# Altium PCB main_control_board_1.1.0.PcbDoc (part 1 of 2)
Units mil, origin at the board's own origin, x right, y up, seen from the top; angles counter-clockwise.
Board outline 3500 x 2800 mil, 2 copper layers (Top Layer, Bottom Layer); 89 components, 79 nets, 373 pads, 122 vias.
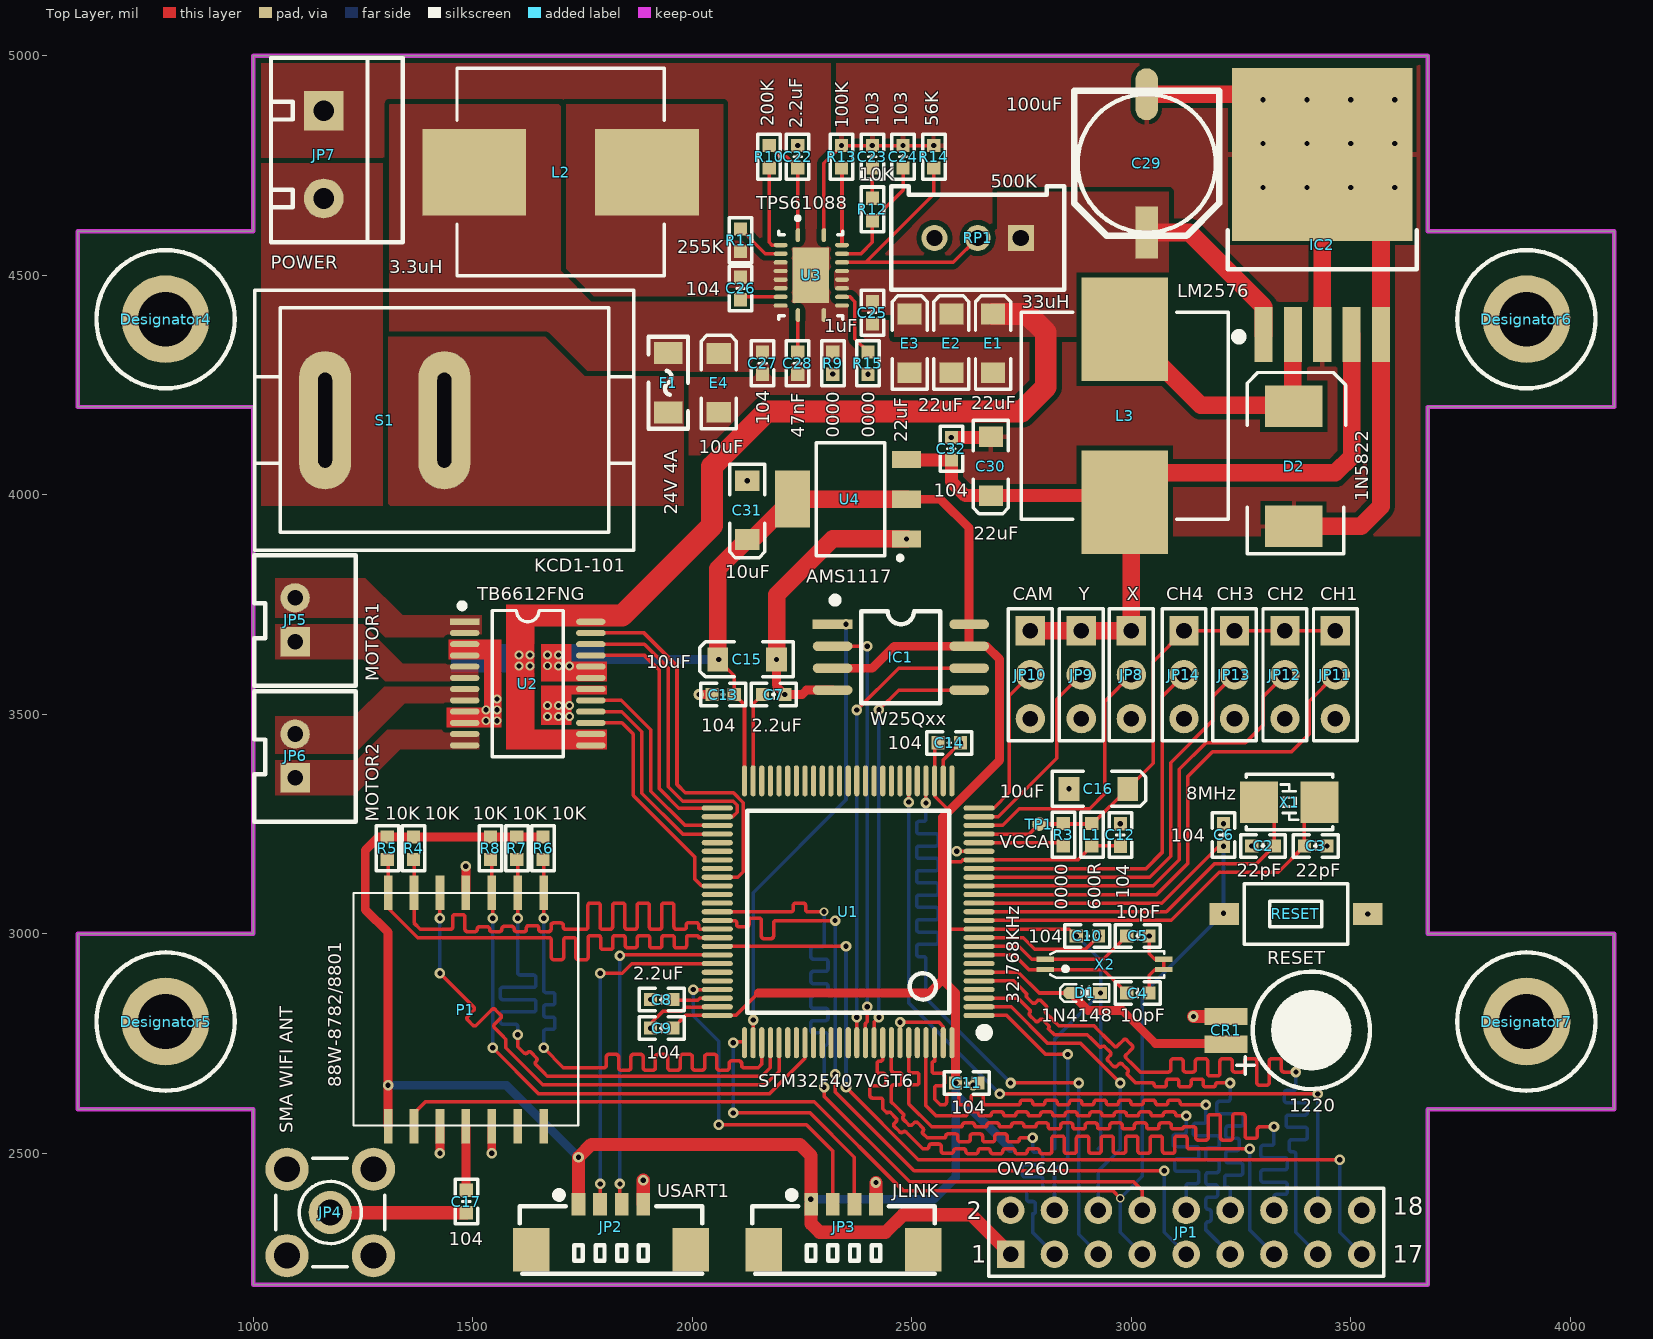
[diagram p0: Top Layer view]
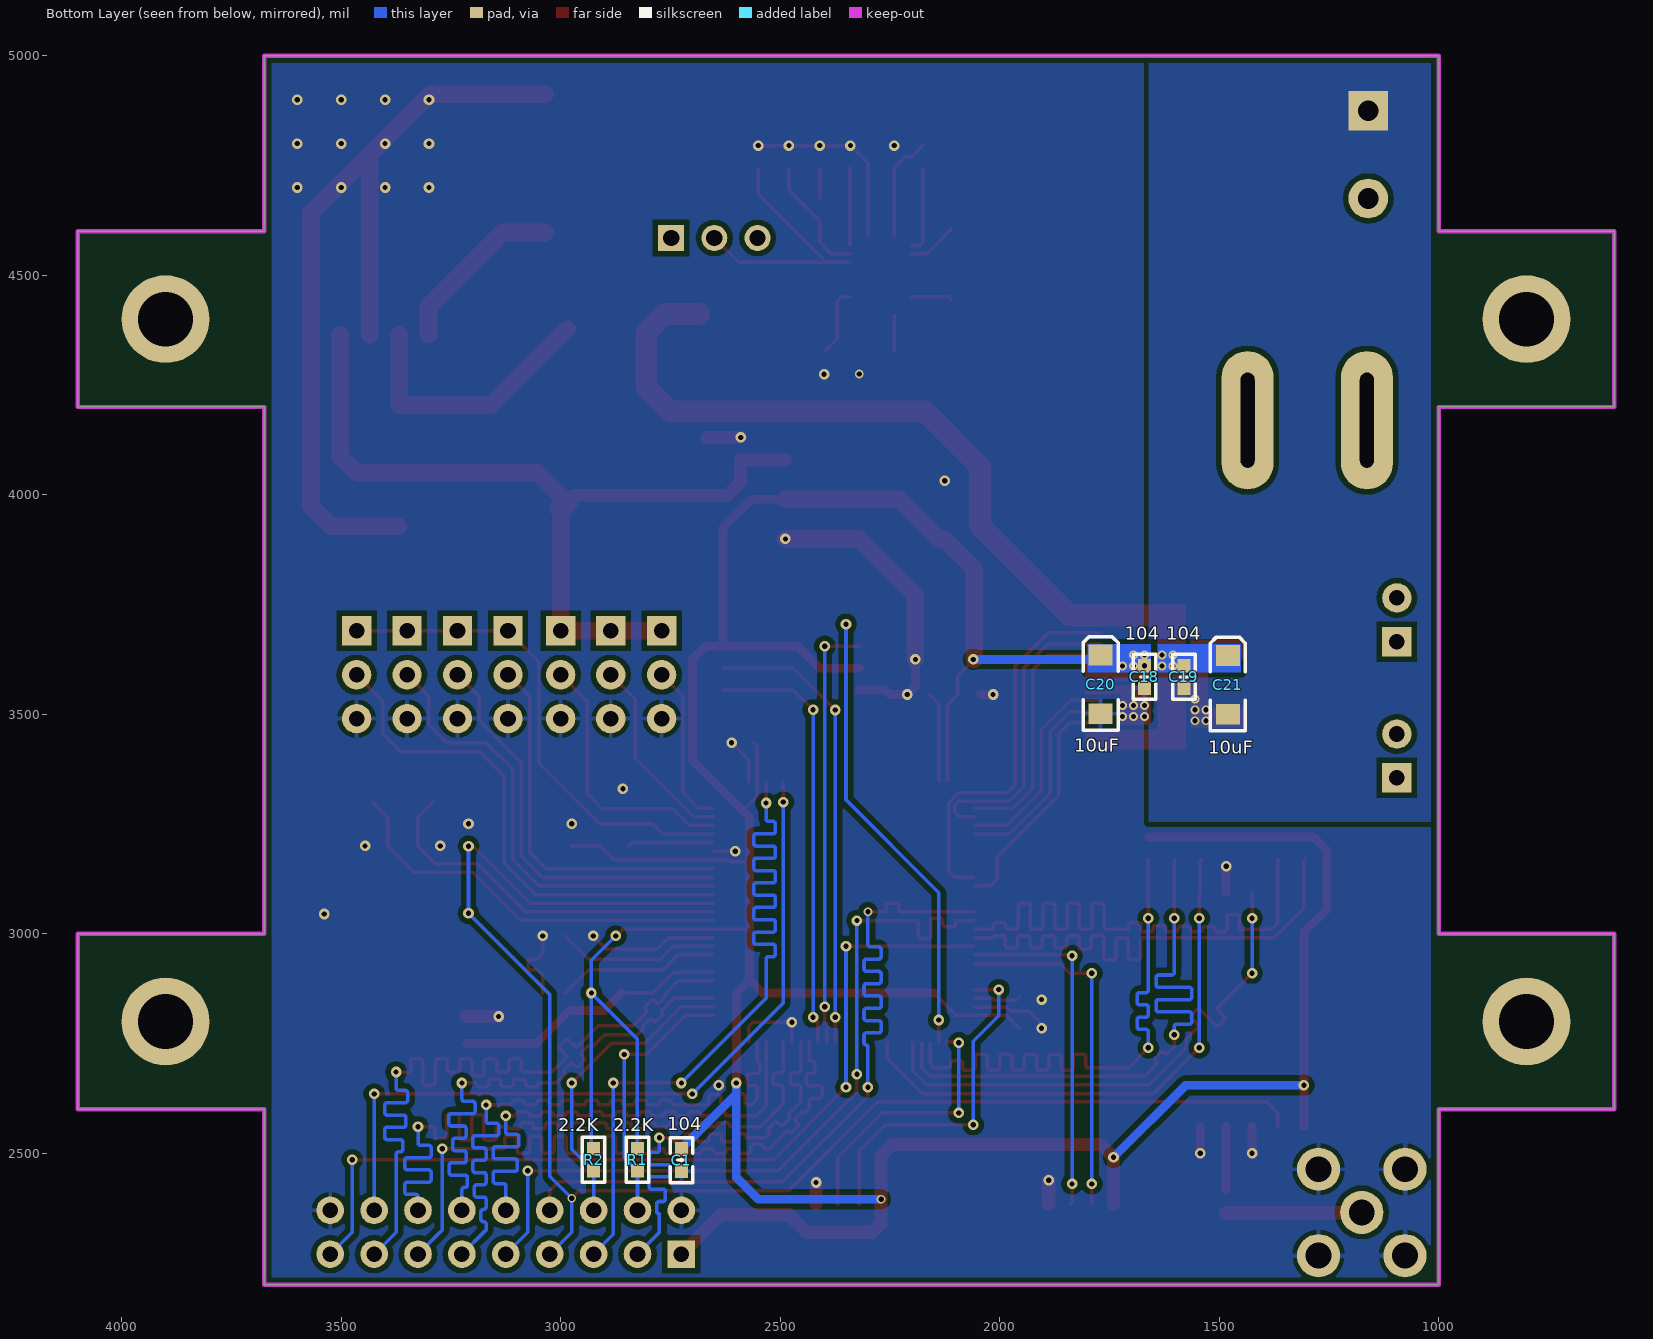
[diagram p1: Bottom Layer view, seen from below]

## Layer stack, top to bottom
Top Solder: solder mask 0.4, Solder Resist, Dk 3.5
Top Layer: signal copper 1.4
Dielectric 1: dielectric 12.6, FR-4, Dk 4.8
Bottom Layer: signal copper 1.4
Bottom Solder: solder mask 0.4, Solder Resist, Dk 3.5

## Board outline
1000,2200 1000,2600 600,2600 600,3000 1000,3000 1000,4200 600,4200 600,4600 1000,4600 1000,5000 3675,5000 3675,4600 4100,4600 4100,4200 3675,4200 3675,3000 4100,3000 4100,2600 3675,2600 3675,2200

## Design rules (kind name [scope] priority, off if disabled: settings)
Clearance Clearance_Polygon [InPolygon] p1: gap=12 ignorepadtopadclearanceinfootprint=FALSE
Clearance [All] p2: gap=6 ignorepadtopadclearanceinfootprint=TRUE
PolygonConnect PolygonConnect_16 [All vs IsNamedPolygon('VIN_L01_P024')] p1: connectstyle=Direct reliefconductorwidth=10 reliefentries=4 polygonreliefangle="90 Angle" airgapwidth=10
PolygonConnect PolygonConnect_Via [IsVia] p2: connectstyle=Direct reliefconductorwidth=10 reliefentries=4 polygonreliefangle="90 Angle" airgapwidth=10
PolygonConnect PolygonConnect_15 [All vs IsNamedPolygon('GND_L02_P044')] p3: connectstyle=Relief reliefconductorwidth=10 reliefentries=4 polygonreliefangle="90 Angle" airgapwidth=10
PolygonConnect PolygonConnect_14 [All vs IsNamedPolygon('GND_L02_P044')] p4: thpad.connectstyle=Direct thpad.reliefconductorwidth=10 thpad.reliefentries=4 thpad.polygonreliefangle="90 Angle" thpad.airgapwidth=10 smdpad.connectstyle=Relief smdpad.reliefconductorwidth=10 smdpad.reliefentries=4 smdpad.polygonreliefangle="90 Angle" smdpad.airgapwidth=10 via.connectstyle=Relief via.reliefconductorwidth=10 via.reliefentries=4 via.polygonreliefangle="90 Angle" via.airgapwidth=10
PolygonConnect PolygonConnect_13 [All vs IsNamedPolygon('PGND_L02_P042')] p5: connectstyle=Direct reliefconductorwidth=10 reliefentries=4 polygonreliefangle="90 Angle" airgapwidth=10
PolygonConnect PolygonConnect_12 [All vs IsNamedPolygon('PGND_L01_P040')] p6: connectstyle=Direct reliefconductorwidth=10 reliefentries=4 polygonreliefangle="90 Angle" airgapwidth=10
PolygonConnect PolygonConnect_11 [All vs IsNamedPolygon('NETC26_2_L01_P026')] p7: connectstyle=Direct reliefconductorwidth=10 reliefentries=4 polygonreliefangle="90 Angle" airgapwidth=10
PolygonConnect PolygonConnect_10 [All vs IsNamedPolygon('NETJP6_1_L01_P036') Or  IsNamedPolygon('NETJP6_2_L01_P034')] p8: connectstyle=Direct reliefconductorwidth=10 reliefentries=4 polygonreliefangle="90 Angle" airgapwidth=10
PolygonConnect PolygonConnect_9 [All vs IsNamedPolygon('NETJP5_2_L01_P030') Or  IsNamedPolygon('NETJP5_1_L01_P032')] p9: connectstyle=Direct reliefconductorwidth=10 reliefentries=4 polygonreliefangle="90 Angle" airgapwidth=10
PolygonConnect PolygonConnect_8 [All vs IsNamedPolygon('PGND_L01_P042')] p10: thpad.connectstyle=Direct thpad.reliefconductorwidth=10 thpad.reliefentries=4 thpad.polygonreliefangle="90 Angle" thpad.airgapwidth=10 smdpad.connectstyle=Direct smdpad.reliefconductorwidth=10 smdpad.reliefentries=4 smdpad.polygonreliefangle="90 Angle" smdpad.airgapwidth=10 via.connectstyle=Relief via.reliefconductorwidth=10 via.reliefentries=4 via.polygonreliefangle="90 Angle" via.airgapwidth=10
PolygonConnect PolygonConnect_7 [All vs IsNamedPolygon('PGND_L01_P042')] p11: connectstyle=Direct reliefconductorwidth=10 reliefentries=4 polygonreliefangle="90 Angle" airgapwidth=10
PolygonConnect PolygonConnect_6 [All vs IsNamedPolygon('PGND_L01_P042')] p12: connectstyle=Direct reliefconductorwidth=10 reliefentries=4 polygonreliefangle="90 Angle" airgapwidth=10
PolygonConnect PolygonConnect_5 [All vs IsNamedPolygon('+12V_L01_P028')] p13: connectstyle=Direct reliefconductorwidth=10 reliefentries=4 polygonreliefangle="90 Angle" airgapwidth=10
PolygonConnect PolygonConnect_4 [All vs IsNamedPolygon('NETC27_2_L01_P026')] p14: connectstyle=Direct reliefconductorwidth=10 reliefentries=4 polygonreliefangle="90 Angle" airgapwidth=10
PolygonConnect PolygonConnect_3 [All vs IsNamedPolygon('NONET_L01_P024')] p15: connectstyle=Direct reliefconductorwidth=10 reliefentries=4 polygonreliefangle="90 Angle" airgapwidth=10
PolygonConnect PolygonConnect_2 [All vs IsNamedPolygon('NETF1_1_L01_P020')] p16: connectstyle=Direct reliefconductorwidth=10 reliefentries=4 polygonreliefangle="90 Angle" airgapwidth=10
PolygonConnect PolygonConnect_1 [All vs IsNamedPolygon('NETJP7_2_L01_P018')] p17: connectstyle=Direct reliefconductorwidth=10 reliefentries=4 polygonreliefangle="90 Angle" airgapwidth=10
PolygonConnect [All] p18: connectstyle=Relief reliefconductorwidth=10 reliefentries=4 polygonreliefangle="90 Angle" airgapwidth=10
RoutingVias [All] p1: holewidth=28 width=50 viastyle="Through Hole" minholewidth=12 minwidth=20 maxholewidth=28 maxwidth=50
SolderMaskExpansion [All] p1: expansion=4
Width [All] p1: maxlimit=50 minlimit=6 preferedwidth=10
30 further rules are at their usual default settings.

## Classes and differential pairs
net class DCMI: NetJP1_3 NetJP1_5 NetJP1_8 NetJP1_9 NetJP1_10 NetJP1_11 NetJP1_12 NetJP1_13 NetJP1_14 NetJP1_15 NetJP1_16
net class SDIO: SDIO_CK SDIO_CMD SDIO_D0 SDIO_D1 SDIO_D2 SDIO_D3
component class U_wifi: C17 JP4 P1 R4 R5 R6 R7 R8
component class U_tb6612fng: C18 C19 C20 C21 JP5 JP6 U2
component class U_stm32f4x7v: C2 C3 C4 C5 C6 C7 C8 C9 C10 C11 C12 C13 C14 C15 C16 CR1 D1 L1 R3 RESET TP1 U1 X1 X2
component class U_steering_engine_interface: JP8 JP9 JP10
component class U_spi_flash: IC1
component class U_photoresistance_measure: JP11 JP12 JP13 JP14
component class U_debug_interface: JP2 JP3
component class U_camera: C1 JP1 R1 R2
component class U_buck: C29 C30 C31 C32 D2 IC2 L3 U4
component class U_boost: C22 C23 C24 C25 C26 C27 C28 E1 E2 E3 E4 F1 JP7 L2 R9 R10 R11 R12 R13 R14 R15 RP1 S1 U3

## Components (designator, comment, footprint, x,y, rotation, side; value= is the part's Value field where it differs from the comment)
C1 "104" "C 0603_L" 2725,2484.41 r90 bottom
C2 "22pF" "C 0603_L" 3300,3200 r0 top
C3 "22pF" "C 0603_L" 3420,3200 r180 top
C4 "10pF" "C 0603_L" 3015,2865 r0 top
C5 "10pF" "C 0603_L" 3015,2995 r0 top
C6 "104" "C 0603_L" 3210,3225 r270 top
C7 "2.2uF" "C 0603_L" 2185,3545 r180 top
C8 "2.2uF" "C 0603_L" 1930,2850 r0 top
C9 "104" "C 0603_L" 1930,2785 r0 top
C10 "104" "C 0603_L" 2900,2995 r180 top
C11 "104" "C 0603_L" 2625,2660 r180 top
C12 "104" "C 0603_L" 2975,3225 r270 top
C13 "104" "C 0603_L" 2070,3545 r0 top
C14 "104" "C 0603_L" 2585,3435 r180 top
C15 "10uF" "CD A(3216)" 2125,3625 r0 top
C16 "10uF" "CD A(3216)" 2925,3330 r180 top
C17 "104" "C 0603_L" 1485,2390 r90 top
C18 "104" "C 0603_L" 1670,3585 r90 bottom
C19 "104" "C 0603_L" 1580,3585 r90 bottom
C20 "10uF" "CD A(3216)" 1770,3568.07 r270 bottom
C21 "10uF" "CD A(3216)" 1480,3566.93 r270 bottom
C22 "2.2uF" "C 0603_L" 2240,4770 r90 top
C23 "103" "C 0603_L" 2410,4770 r90 top
C24 "103" "C 0603_L" 2480,4770 r90 top
C25 "1uF" "C 0603_L" 2410,4415 r90 top
C26 "104" "C 0603_L" 2110,4470 r90 top
C27 "104" "C 0603_L" 2160,4300 r90 top
C28 "47nF" "C 0603_L" 2240,4300 r90 top
C29 "100uF" "CM E(8*10.2)" 3035,4755 r270 top
C30 "22uF" "CD A(3216)" 2680,4065 r90 top
C31 "10uF" "CD A(3216)" 2125,3965 r90 top
C32 "104" "C 0603_L" 2590,4105 r270 top
CR1 "1220" ML621FE 3410,2780 r0 top
D1 "1N4148" SOD-523 2895,2865 r180 top
D2 "1N5822" SMC 3370,4065 r90 top
Designator4 "Comment" M3x4+6_L 800,4400 r0 top
Designator5 "Comment" M3x4+6_L 800,2800 r0 top
Designator6 "Comment" M3x4+6_L 3900,4400 r0 top
Designator7 "Comment" M3x4+6_L 3900,2800 r0 top
E1 "22uF" "CD A(3216)" 2685,4345 r270 top
E2 "22uF" "CD A(3216)" 2590,4345 r270 top
E3 "22uF" "CD A(3216)" 2495,4345 r270 top
E4 "10uF" "CD A(3216)" 2060,4255 r270 top
F1 "24V 4A" "FU 1206" 1945,4255 r90 top
IC1 "W25Qxx" SOP8W_N 2475,3630 r0 top
IC2 "LM2576" TO263-5A 3435,4365 r0 top
JP1 "OV2640" HDR2.54-LI-2x9P 3125,2320 r0 top
JP2 "USART1" "MX 1.25-LS-4P" 1815,2295 r0 top
JP3 "JLINK" "MX 1.25-LS-4P" 2345,2295 r0 top
JP4 "SMA WIFI ANT" SMA_FR 1175,2365 r90 top
JP5 "MOTOR1" XH2.54-LI-2P 1095,3715 r90 top
JP6 "MOTOR2" XH2.54-LI-2P 1095,3405 r90 top
JP7 "POWER" KF301-5.0-2P 1160,4675 r270 top
JP8 "X" HDR2.54-LI-3P 3000,3590 r270 top
JP9 "Y" HDR2.54-LI-3P 2886,3590 r270 top
JP10 "CAM" HDR2.54-LI-3P 2770,3590 r270 top
JP11 "CH1" HDR2.54-LI-3P 3465,3590 r270 top
JP12 "CH2" HDR2.54-LI-3P 3350,3590 r270 top
JP13 "CH3" HDR2.54-LI-3P 3235,3590 r270 top
JP14 "CH4" HDR2.54-LI-3P 3120,3590 r270 top
L1 "600R" "R 0603_L" 2910,3225.59 r270 top
L2 "3.3uH" CDRH127 1700,4735 r0 top
L3 "33uH" CDRH127 2985,4180 r270 top
P1 "88W-8782/8801" W8782_MODULE 1485,2825 r0 top
R1 "2.2K" "R 0603_L" 2825.01,2485 r90 bottom
R2 "2.2K" "R 0603_L" 2925.01,2485 r90 bottom
R3 "0000" "R 0603_L" 2845,3225.59 r270 top
R4 "10K" "R 0603_L" 1365,3195 r270 top
R5 "10K" "R 0603_L" 1305,3195 r90 top
R6 "10K" "R 0603_L" 1660,3195 r90 top
R7 "10K" "R 0603_L" 1600,3195 r90 top
R8 "10K" "R 0603_L" 1540,3195 r90 top
R9 "0000" "R 0603_L" 2320,4300 r270 top
R10 "200K" "R 0603_L" 2175,4770 r90 top
R11 "255K" "R 0603_L" 2110,4580 r270 top
R12 "10K" "R 0603_L" 2410,4650 r90 top
R13 "100K" "R 0603_L" 2340,4770 r90 top
R14 "56K" "R 0603_L" 2550,4770 r270 top
R15 "0000" "R 0603_L" 2400,4300 r270 top
RESET "RESET" "micro button_2_SMD" 3375,3045 r180 top
RP1 "500K" 3296W 2650,4585 r180 top
S1 "KCD1-101" KCD1-101 1435,4170 r180 top
TP1 "VCCA" "TEST 0.8" 2790,3250 r180 top
U1 "STM32F407VGT6" "LQFP100 14x14_N" 2355,3050 r90 top
U2 "TB6612FNG" SSOP24_N 1625,3570 r0 top
U3 "TPS61088" S-PVQFN-N20 2260,4500 r90 top
U4 "AMS1117" SOT_223 2360,3990 r90 top
X1 "8MHz" "OSC 5032-2P" 3360,3300 r0 top
X2 "32.768KHz" "OSC MC-146" 2940,2930 r0 top

## Footprints (in the part's own frame and the unit in brackets; to place one, negate y for a bottom-side part, rotate by r counter-clockwise, add the part's x,y. Pads: shape width x height; smd on the part's side, far side on the other; paste and mask are expansions set on the pad)
3296W [mm]
  rect 1.5x1.5 hole 0.95: 1(-2.5,0)
  round 1.5 hole 0.95: 2(0,0) 3(2.5,0)
  silkscreen extent -5,-3 5,3, body extent -4.9,-2.47 4.9,2.48, height 12.67
"C 0603_L" [mil] "无极性贴片电容"
  rect 30x30 smd: 1(-25.59,0) 2(25.59,0)
  silkscreen extent -51,-26 51,26, body extent -31,-16 31,16, height 32
"CD A(3216)" [mm] "长3.2mm，宽1.6mm，厚1.6mm"
  rect 1.2x1.4 smd: 1(-1.7,0) 2(1.7,0)
  silkscreen extent -2.74,-1.02 2.67,1.02, body extent -1.6,-0.8 1.6,0.8, height 1.6
CDRH127 [mm]
  rect 6x5 smd: 1(-5,0) 2(5,0)
  silkscreen extent -6,-6 6,6, body extent -6,-6 6,6, height 7.5
"CM E(8*10.2)" [mm] "贴片电解电容，直径8mm，高10.2mm"
  rect 3x1.3 smd: 1(4,0)
  oval 3x1.3 smd: 2(-4,0)
  silkscreen extent -4.2,-4.2 4.2,4.2, body extent -4.5,-4.15 4.5,4.15, height 10.2
"FU 1206" [mil] "贴片保险丝"
  rect 50x65 smd: 1(-67.5,0) 2(67.5,0)
  silkscreen extent -105,-45 105,45, body extent -63,-32 63,32, height 34
HDR2.54-LI-2x9P [mm] "双排排针，9x2脚"
  rect 1.6x1.6 hole 0.9: 1(-10.16,-1.27)
  round 1.6 hole 0.9: 2(-10.16,1.27) 3(-7.62,-1.27) 4(-7.62,1.27) 5(-5.08,-1.27) 6(-5.08,1.27) 7(-2.54,-1.27) 8(-2.54,1.27) 9(0,-1.27) 10(0,1.27) 11(2.54,-1.27) 12(2.54,1.27) 13(5.08,-1.27) 14(5.08,1.27) 15(7.62,-1.27) 16(7.62,1.27) 17(10.16,-1.27) 18(10.16,1.27)
  silkscreen extent -11.43,-2.54 11.43,2.54, body extent -11.43,-2.54 11.43,2.54, height 8.5
HDR2.54-LI-3P [mm] "排针，3脚"
  rect 1.7x1.7 hole 0.9: 1(-2.54,0)
  round 1.7 hole 0.9: 2(0,0) 3(2.54,0)
  silkscreen extent -3.81,-1.27 3.81,1.27, body extent -3.81,-1.27 3.81,1.27, height 8.5
KCD1-101 [mm] "船型开关立式"
  oval 3x8 hole 0.8 slot 5.5 at 90 deg: 1(0,0) 2(6.9,0)
  silkscreen extent -10.97,-7.52 10.97,7.52, body extent -10.95,-7.5 10.95,7.5, height 20.3
KF301-5.0-2P [mm] "可拼接端子/6A"
  rect 2.3x2.3 hole 1.2: 1(-5.08,0)
  round 2.3 hole 1.2: 2(0,0)
  silkscreen extent -8.13,-3.05 2.54,4.57, body extent -7.95,-3 2.55,4.6, height 10.05
"LQFP100 14x14_N" [mm] "100脚，体宽14x14mm，脚距0.5mm"
  oval 0.3x1.8 smd: 1(-6,-7.575) 2(-5.5,-7.575) 3(-5,-7.575) 4(-4.5,-7.575) 5(-4,-7.575) 6(-3.5,-7.575) 7(-3,-7.575) 8(-2.5,-7.575) 9(-2,-7.575) 10(-1.5,-7.575) 11(-1,-7.575) 12(-0.5,-7.575) 13(0,-7.575) 14(0.5,-7.575) 15(1,-7.575) 16(1.5,-7.575) 17(2,-7.575) 18(2.5,-7.575) 19(3,-7.575) 20(3.5,-7.575) 21(4,-7.575) 22(4.5,-7.575) 23(5,-7.575) 24(5.5,-7.575) 25(6,-7.575) 51(6,7.575) 52(5.5,7.575) 53(5,7.575) 54(4.5,7.575) 55(4,7.575) 56(3.5,7.575) 57(3,7.575) 58(2.5,7.575) 59(2,7.575) 60(1.5,7.575) 61(1,7.575) 62(0.5,7.575) 63(0,7.575) 64(-0.5,7.575) 65(-1,7.575) 66(-1.5,7.575) 67(-2,7.575) 68(-2.5,7.575) 69(-3,7.575) 70(-3.5,7.575) 71(-4,7.575) 72(-4.5,7.575) 73(-5,7.575) 74(-5.5,7.575) 75(-6,7.575)
  oval 1.8x0.3 smd: 26(7.576,-6) 27(7.576,-5.5) 28(7.576,-5) 29(7.576,-4.5) 30(7.576,-4) 31(7.576,-3.5) 32(7.576,-3) 33(7.576,-2.5) 34(7.576,-2) 35(7.576,-1.5) 36(7.576,-1) 37(7.576,-0.5) 38(7.576,0) 39(7.576,0.5) 40(7.576,1) 41(7.576,1.5) 42(7.576,2) 43(7.576,2.5) 44(7.576,3) 45(7.576,3.5) 46(7.576,4) 47(7.576,4.5) 48(7.576,5) 49(7.576,5.5) 50(7.576,6) 76(-7.575,6) 77(-7.575,5.5) 78(-7.575,5) 79(-7.575,4.5) 80(-7.575,4) 81(-7.575,3.5) 82(-7.575,3) 83(-7.575,2.5) 84(-7.575,2) 85(-7.575,1.5) 86(-7.575,1) 87(-7.575,0.5) 88(-7.575,0) 89(-7.575,-0.5) 90(-7.575,-1) 91(-7.575,-1.5) 92(-7.575,-2) 93(-7.575,-2.5) 94(-7.575,-3) 95(-7.575,-3.5) 96(-7.575,-4) 97(-7.575,-4.5) 98(-7.575,-5) 99(-7.575,-5.5) 100(-7.575,-6)
  silkscreen extent -7.23,-8.12 5.84,5.84, body extent -8,-8 8,8, height 1.45
M3x4+6_L [mil] "M3铜柱，长：4mm，螺纹长：6mm"
  round 200 hole 125: 1(0,0)
  silkscreen extent -157,-157 157,157, body extent -106,-93 106,93, height 159
"micro button_2_SMD" [mm]
  rect 1.7x1.3 smd: 1(-4.15,0) 2(4.15,0)
  silkscreen extent -3,-1.76 3,1.74, body extent -4.5,-1.75 4.5,1.75, height 4.51
ML621FE [mm] "可充电纽扣电池"
  rect 2.5x1 smd: 1(-4.927,-0.8) 2(-4.927,0.8)
  silkscreen extent -4.32,-3.4 3.4,3.4, body extent -5.5,-3.4 3.4,3.4, height 2.45
"MX 1.25-LS-4P" [mm] "长：9.75m，宽：3.7mm，高：4.7mm"
  rect 2.1x2.5 smd: 0(-4.632,-0.381) 0(4.604,-0.381)
  rect 0.8x1.3 smd: 1(-1.889,2.261) 2(-0.639,2.261) 3(0.611,2.261) 4(1.861,2.261)
  silkscreen extent -5.29,-1.78 5.27,2.99, body extent -5.07,-1.6 5.07,2.5, height 4.7
"OSC 5032-2P" [mm] "5mm*3.2mm*0.8mm(长*宽*高)"
  rect 2.2x2.4 smd: 1(-1.75,0) 2(1.75,0)
  silkscreen extent -2.5,-1.6 2.5,1.6, body extent -2.5,-1.6 2.5,1.6, height 0.86
"OSC MC-146" [mm] "6.7mm*1.5mm*1.4mm(长*宽*高)"
  rect 1x0.3 smd: 1(-3.45,-0.3) 2(3.4,-0.3) 3(3.4,0.3) 4(-3.45,0.3)
  silkscreen extent -3.17,-0.76 3.43,0.76, body extent -3.45,-0.75 3.45,0.75, height 1.45
"R 0603_L" [mil] "1/10W贴片电阻"
  rect 30x30 smd: 1(-25.59,0) 2(25.59,0)
  silkscreen extent -51,-26 51,26, body extent -31,-16 32,16, height 16
S-PVQFN-N20 [mm]
  oval 0.8x0.254 smd: 1(2.326,0.496) 10(-2.301,0.496) 11(-2.301,-1.004) 20(2.326,-1.004)
  oval 0.254x0.8 smd: 2(1.75,1.496) 3(1.25,1.496) 4(0.75,1.496) 5(0.25,1.496) 6(-0.25,1.496) 7(-0.75,1.496) 8(-1.25,1.496) 9(-1.75,1.496) 12(-1.75,-2.055) 13(-1.25,-2.055) 14(-0.75,-2.055) 15(-0.25,-2.055) 16(0.25,-2.055) 17(0.75,-2.055) 18(1.25,-2.055) 19(1.75,-2.055)
  rect 3.2x2.1 smd: 21(0,-0.254)
  silkscreen extent -2.55,-2.1 3.4,1.6, body extent -2.33,-2.08 2.32,1.57, height 1
SMA_FR [mm] "SMA 90度射频天线座"
  round 2.5 hole 1.5: 1(0,0) 2(-2.5,2.5) 2(2.5,2.5) 3(-2.5,-2.5) 3(2.5,-2.5)
  silkscreen extent -3.15,-3.15 3.15,3.15, body extent -3.5,-3.5 3.5,11.6, height 10.26
SMC [mm] "DO-214-AB/SMC; 2 C-Bend Leads; Body 7.9 x 5.9 mm, inc. leads (LxW)"
  rect 2.4x3.3 smd: 1(-3.475,0) 2(3.475,0)
  silkscreen extent -5.07,-3 5.43,2.7, body extent -4.32,-3.15 3.81,3.15, height 2.57
SOD-523 [mm] "1.2x0.8X0.6mm（长宽高，不包括引脚）"
  rect 0.8x0.7 smd: 1(-0.85,0)
  oct 0.8x0.7 smd: 2(0.85,0)
  silkscreen extent -1.4,-0.51 1.45,0.51, body extent -0.8,-0.4 0.8,0.4, height 0.65
SOP8W_N [mm] "5.3*8.3*1.8mm（长宽高）"
  rect 2.3x0.55 smd: 1(-3.95,1.905)
  oval 2.3x0.55 smd: 2(-3.95,0.635) 3(-3.95,-0.635) 4(-3.95,-1.905) 5(3.95,-1.905) 6(3.95,-0.635) 7(3.95,0.635) 8(3.95,1.905)
  silkscreen extent -3.94,-2.67 2.29,3.43, body extent -3.94,-2.64 3.94,2.64, height 1.9
SOT_223 [mm]
  rect 1x1.7 smd: 1(-2.3,-3.25) 2(0,-3.25) 3(2.3,-3.25)
  rect 3.3x2 smd: 2(0,3.349)
  silkscreen extent -3.53,-3 3.28,1.98, body extent -3.25,-3.51 3.25,3.51, height 1.93
SSOP24_N [mm] "8.3*7.8*1.6（长宽高）"
  rect 1.7x0.35 smd: 1(-3.65,3.575)
  oval 1.7x0.35 smd: 2(-3.65,2.925) 3(-3.65,2.275) 4(-3.65,1.625) 5(-3.65,0.975) 6(-3.65,0.325) 7(-3.65,-0.325) 8(-3.65,-0.975) 9(-3.65,-1.625) 10(-3.65,-2.275) 11(-3.65,-2.925) 12(-3.65,-3.575) 13(3.65,-3.575) 14(3.65,-2.925) 15(3.65,-2.275) 16(3.65,-1.625) 17(3.65,-0.975) 18(3.65,-0.325) 19(3.65,0.325) 20(3.65,0.975) 21(3.65,1.625) 22(3.65,2.275) 23(3.65,2.925) 24(3.65,3.575)
  silkscreen extent -3.93,-4.23 2.06,4.63, body extent -3.85,-4.15 3.85,4.15, height 1.65
"TEST 0.8" [mm] "测试点0.8mm"
  round 0.8 smd: 1(0,0)
TO263-5A [mm] "263，5脚晶体管"
  rect 1.05x3.2 smd: 1(-3.4,0) 2(-1.7,0) 3(0,0) 4(1.7,0) 5(3.4,0)
  rect 10.45x10 smd: 3(0,10.414)
  silkscreen extent -5.46,-0.33 5.46,6.04, body extent -5,-0.01 5,13.32, height 4.5
W8782_MODULE [mm]
  rect 0.5x2 smd: 1(4.475,6.811) 2(2.975,6.811) 3(1.475,6.811) 4(-0.025,6.811) 5(-1.525,6.811) 6(-3.025,6.811) 7(-4.525,6.811) 8(-4.525,-6.689) 9(-3.025,-6.689) 10(-1.525,-6.689) 11(-0.025,-6.689) 12(1.475,-6.689) 13(2.975,-6.689) 14(4.475,-6.689)
  silkscreen extent -6.52,-6.65 6.48,6.81
XH2.54-LI-2P [mm] "接插件，2P"
  rect 1.7x1.7 hole 0.9: 1(-1.27,0)
  round 1.7 hole 0.9: 2(1.27,0)
  silkscreen extent -3.81,-3.51 3.74,2.37, body extent -3.77,-3.3 3.77,2.4, height 7.05

## Part data
C1 C2 C3 C4 C5 C6 C7 C8 C9 C10 C11 C12 C13 C14 C17 C18 C19 C32: library part Cap, "Capacitor", LatestRevisionDate=17-Jul-2002, LatestRevisionNote="Re-released for DXP Platform.", PackageDescription="Radial Cap, Thru-Hole; 2 Leads; 0.3 in Pin Spacing", PackageReference=RAD-0.3, Published=8-Jun-2000, Publisher="Altium Limited"
C15 C16 C20 C21 C29 C30 C31: library part "Cap Pol1", "Polarized Capacitor (Radial)", LatestRevisionDate=17-Jul-2002, LatestRevisionNote="Re-released for DXP Platform.", PackageDescription="Polarized Capacitor (Radial); 2 Leads", PackageReference=RB7.6-15, Published=8-Jun-2000, Publisher="Altium Limited"
C22 C23 C24 C25 C26 C27 C28: library part C, "无极性贴片电容"
CR1: library part CR-3V, "微型电池"
D1: library part "Diode 1N4148", "High Conductance Fast Diode", Code_JEDEC=DO-204-AH, ComponentLink1Description="Manufacturer Link", ComponentLink1URL=http://www.fairchildsemi.com/, ComponentLink2Description=Datasheet, ComponentLink2URL=http://www.fairchildsemi.com/ds/1N%2F1N4148.pdf, DatasheetVersion=1997, LatestRevisionDate=17-Jul-2002, LatestRevisionNote="Re-released for DXP Platform.", PackageDescription="Diode, Axial; Body 3.8 x 1.9 mm (LxDia. max), Lead Dia. 0.53 mm (max)", PackageReference=DO-35, Published=8-Jun-2000, Publisher="Altium Limited"
D2: library part "Diode 11DQ03", "Schottky Rectifier", Code_JEDEC=DO-204-AL, ComponentLink1Description="Manufacturer Link", ComponentLink1URL=http://www.irf.com/, ComponentLink2Description=Datasheet, ComponentLink2URL=http://www.irf.com/product-info/datasheets/data/11dq03.pdf, DatasheetVersion=Dec-1997, LatestRevisionDate=17-Jul-2002, LatestRevisionNote="Re-released for DXP Platform.", PackageDescription="Diode, Axial; Body 5.2 x 2.7 mm (LxDia. max), Lead Dia. 0.86 mm (max)", PackageReference=DO-204AL, Published=8-Jun-2000, Publisher="Altium Limited"
E1 E2 E3 E4: library part C-CD, "贴片钽电容"
F1: library part FU, "贴片保险丝"
IC1: "外置Flash", BOM名称=外置Fl, 学习资源=www.ooocke.
IC2: "稳压"
JP1: library part "Header 9X2", "9*2P接插件"
JP2 JP3: library part "Header 4", "4P接插件", BOM名称=4P接, 学习资源=www.ooocke.
JP4: library part SMA, "SMA-2.4G射频天线接口", BOM名称=SMA-2.4GÉäÆµÌ, 学习资源=www.ooocke.
JP5 JP6 JP7: library part "Header 2", "2P接插件"
  JP5 JP6: BOM名称=2P接, 学习资源=www.ooocke.
JP8 JP9 JP10 JP11 JP12 JP13 JP14: library part "Header 3", "3P接插件", BOM名称=3P接, 学习资源=www.ooocke.
L1 L2 L3: library part Inductor, "Inductor", Code_IEC=1005, Code_JEITA=0402, LatestRevisionDate=29-May-2009, LatestRevisionNote="IPC-7351 Footprint Added.", PackageDescription="Chip Inductor", PackageReference=0402-A, Published=8-Jun-2000, Publisher="Altium Limited"
P1: library part "Header 7X2", "Header, 7-Pin, Dual row", LatestRevisionDate=17-Jul-2002, LatestRevisionNote="Re-released for DXP Platform.", Publisher="Altium Limited"
R1 R2 R3 R4 R5 R6 R7 R8: library part Res2, "Resistor", LatestRevisionDate=17-Jul-2002, LatestRevisionNote="Re-released for DXP Platform.", PackageDescription="Axial Device, Thru-Hole; 2 Leads; 0.4 in Pin Spacing", PackageReference=AXIAL-0.4, Published=8-Jun-2000, Publisher="Altium Limited"
R9 R10 R11 R12 R13 R14 R15: library part R, "贴片电阻"
RESET: library part SW-PB, "Switch", LatestRevisionDate=17-Jul-2002, LatestRevisionNote="Re-released for DXP Platform.", PackageDescription="Switch; 2 Leads", PackageReference=SPST-2, Published=24-Mar-1999, Publisher="Altium Limited"
RP1: library part RP-ID, "插件单联电位器", BOM名称=插件, 学习资源=www.ooocke.
S1: "1路单刀船型开关"
TP1: library part TEST, "测试点", BOM名称=测, 学习资源=www.ooocke.
U1: "ARM Cortex-M4 32b MCU+FPU, 210DMIP, 1024 kB Flash, 192+4 kB RAM, Camera, 82 I/Os, 100-pin LQFP, -40 to +85癈, Tray", Operating Frequency (Processor Speed)=168MHz, 16-bit Timers (IC/OC/PWM)=12x16-bit(24/24/30), 32-bit Timer (IC/OC/PWM)="2x32-bit (8/8/8)", A/D Converter=16x12-bit, ComponentLink1Description="Manufacturer URL", ComponentLink1URL=http://www.st.com/, ComponentLink2Description="STM32F405/7 Datasheet", ComponentLink2URL=http://www.st.com/internet/com/TECHNICAL_RESOURCES/TECHNICAL_LITERATURE/DATASHEET/DM00037051.pdf, ComponentLink3Description="STM32F4 Web Page", ComponentLink3URL=http://www.st.com/internet/mcu/subclass/1521.jsp, D/A Converter=2x12-bit, DatasheetVersion="rev2, Jan-2012", Internal RAM=192kB, Other Timer Functions="2xWDG, RTC, 24-bit down counter", PackageDescription="100-Pin Low Profile Quad Flat Package, 14x14 mm Body, 0.5 mm Pitch", PackageReference=LQFP100, PackageVersion=2012, Serial Interface="3xSPI/2xI2S/2xI2C/3xUSART(IrDa, ISO7816)/3xUART/2xUSB OTG FS/HS, 2xCAN/Ethernet MAC10/100, SDIO"
U2: "DC_MOTOR_DRIVER"
X1: library part XTAL-2P, "2脚无源脚晶振", BOM名称=2½ÅÎÞÔ, 学习资源=www.ooocke.
X2: library part XTAL-MC-4P, "MC系列4脚晶振", BOM名称=2½ÅÎÞÔ, 学习资源=www.ooocke.

## Via types
v1: diameter 24, hole 12, Top Layer to Bottom Layer, 98 vias
v2: diameter 20, hole 12, Top Layer to Bottom Layer, 24 vias

## Nets (pads, with @x,y where several pads share a name; then routed paths per layer and width w, separated by ;. In a path a pad name is that pad's centre, name@x,y a point inside that pad or via, vN(x,y) a via of type N, cw(c..) or ccw(c..) an arc to the next point about the centre after c; other vN are vias at no path point)
+5V: C30.1 C32.2 IC2.4 JP8.1 JP9.1 JP10.1 L3.2 U4.3 | length 1933.7
  Top Layer w30: U4.3@2487.95,4080.55 2489.09,4079.41 C32.2@2590,4079.41 2590,4030 2621.93,3998.07 C30.1@2680,3998.07 2970.08,3998.07 L3.2@2985,3983.15
  Top Layer w40: JP10.1@2770,3690 JP9.1@2886,3690 JP8.1@3000,3690 L3.2@3000,3968.15 ; L3.2@2985,3983.15 3051.85,4050 3465,4050 3501.93,4086.93 IC2.4@3501.93,4365
  Top Layer w50: L3.2@2985,3983.15 L3.2@3000,3968.15
+12V: C19.2 C21.1 C25.2 C29.1 E1.1 E2.1 E3.1 IC2.1 RP1.1 U2.13 U2.14 U2.24 U3.14 U3.15 U3.16 | length 1966.7
  Top Layer w40: C29.1@3035,4597.52 3132.48,4597.52 3301.14,4428.86 IC2.1@3301.14,4365
  Top Layer w50: 1795,3725.05 1840.05,3725.05 2045,3930 2045,4065 2170,4190 2750,4190 2805,4245 2805,4370 2763.07,4411.93 E1.1@2685,4411.93
  other v2: 1605,3610 1630,3610 1605,3635 1630,3635
ANT: C17.2 P1.11 | length 146.5
  Top Layer w20: P1.11@1484.02,2561.65 1484.02,2416.57 C17.2@1485,2415.59
GND: C1.1 C2.1 C3.1 C4.2 C5.2 C6.1 C7.1 C8.1 C9.1 C10.1 C11.1 C12.1 C13.1 C14.1 C15.2 C16.2 C18.1 C20.2 C22.2 C23.2 C24.2 C29.2 C30.2 C31.2 C32.1 CR1.2 D2.1 IC1.4 IC2.3 IC2.5 JP1.2 JP1.18 JP2.4 JP3.4 JP4.2 JP4.3 JP8.3 JP9.3 JP10.3 JP11.3 JP12.3 JP13.3 JP14.3 P1.4 P1.10 P1.12 R9.2 R13.2 R14.1 R15.2 RESET.1 U1.10 U1.20 U1.27 U1.74 U1.94 U1.99 U2.18 U3.20 U4.1 X2.2 X2.3 | length 4529.6
  Top Layer w8: v1(1904.41,2785) 1904.41,2795 1932.4,2823 1973.79,2823 1983.63,2832.84 2058.11,2832.84 U1.74@2058.74,2833.47 ; U3.20@2299.53,4591.58 2299.53,4755.11 v1(2340,4795.59) v1(2410,4795.59) v1(2480,4795.59) v1(2550,4795.59) ; U1.94@2473.11,2753.75 v1(2473.11,2798.11) 2561.89,2798.11 2571.54,2788.46 U1.99@2571.54,2753.75 ; U1.27@2571.54,3346.27 U1.27@2571.54,3348.25 2571.54,3395.94 v1(2610.59,3435) ; v1(2602.2,3187.8) U1.20@2651.26,3187.8 ; U1.10@2653.24,2990.95 2754.05,2990.95 2780,2965 2895.59,2965 v1(2925.59,2995) ; C4.2@3040.59,2865 3040.59,2905.59 3053.19,2918.19 X2.2@3073.86,2918.19 X2.3@3073.86,2941.81 3053.19,2941.81 3040.59,2954.41 v1(3040.59,2995)
  Top Layer w20: v1(1424.96,2500.04) P1.10@1424.96,2561.65 ; P1.4@1484.02,3093.15 v1(1484.02,3154.02) ; v1(1543.07,2500.04) P1.12@1543.07,2561.65 ; v1(2015,3545) C13.1@2044.41,3545 ; v1(2191.93,3625) 2191.93,3567.94 2192.41,3567.46 2192.41,3563.18 v1(2210.59,3545) 2250,3545 2259.99,3555 IC1.4@2319.49,3555
  Top Layer w30: JP2.4@1888.28,2384 v1(1888.28,2438.28) ; JP3.4@2418.28,2384 v1(2418.28,2433.28) ; v1(2590,4130.59) C30.2@2666.34,4130.59 ; v1(3141.5,2811.5) CR1.2@3216.02,2811.5
  Top Layer w40: v1(2191.93,3625) 2191.93,3771.93 2319.45,3899.45 v1(2487.95,3899.45) ; C29.2@3035,4912.48 3297.52,4912.48 IC2.3@3435,4775 ; D2.1@3370,3928.19 3523.19,3928.19 3568.86,3973.86 IC2.5@3568.86,4365 3568.86,4641.14 IC2.3@3435,4775 ; IC2.3@3435,4365 IC2.3@3435,4775
  other v1: 2640,2655 1904.41,2850 3538.39,3045 3274.41,3200 3445.59,3200 2975,3250.59 3210,3250.59 2858.07,3330 2125,4031.93 2400,4274.41 3300,4700 3400,4700 3500,4700 3600,4700 2240,4795.59 3300,4800 3400,4800 3500,4800 3600,4800 3300,4900 3400,4900 3500,4900 3600,4900
  other v2: 1670,3495 1695,3495 1720,3495 1670,3520 1695,3520 1720,3520 2320,4275
IO1: P1.13
IO2: P1.14
NetC6_2: C6.2 JP1.7 P1.9 RESET.2 U1.14 | length 3398.1
  Top Layer w8: P1.9@1365.91,2561.65 1365.91,2590.91 1392,2617 2278,2617 2480,2415 2957.37,2415 v2(2975,2397.37) ; U1.14@2653.24,3069.69 3069.69,3069.69 3199.41,3199.41 v1(3210,3199.41)
  Bottom Layer w8: JP1.7@3025,2270 2975,2320 v2(2975,2397.37) 3025,2447.37 3025,2861.62 v1(3210,3046.62) v1(3210,3199.41)
NetC7_2: C7.2 U1.49 | length 205.4
  Top Layer w8: U1.49@2138.46,3348.25 2138.46,3524.06 C7.2@2159.41,3545
NetC8_2: C8.2 U1.73 | length 105.5
  Top Layer w8: C8.2@1955.59,2855 1961.74,2848.84 2012.1,2848.84 2016.42,2853.16 U1.73@2056.76,2853.16
NetC17_1: C17.1 JP4.1 | length 310.2
  Top Layer w30: JP4.1@1175,2365 1175.59,2364.41 C17.1@1485,2364.41
NetC22_1: C22.1 R10.2 U3.1 | length 239.2
  Top Layer w8: R10.2@2175,4795.59 2200.59,4770 2214.41,4770 C22.1@2240,4744.41 2240.47,4743.94 U3.1@2240.47,4591.58
NetC23_1: C23.1 R12.2 | length 68.8
  Top Layer w8: R12.2@2410,4675.59 C23.1@2410,4744.41
NetC24_1: C24.1 R12.1 U3.18 | length 278.2
  Top Layer w8: U3.18@2340.9,4549.21 2384.21,4549.21 2410,4575 R12.1@2410,4624.41 2480,4694.41 C24.1@2480,4744.41
NetC26_1: C26.1 U3.8 | length 93.7
  Top Layer w8: C26.1@2110,4444.41 2116.38,4450.79 U3.8@2201.1,4450.79
NetC26_2: C26.2 L2.2 R11.2 U3.4 U3.5 U3.6 U3.7
NetC28_2: C28.2 U3.10 | length 84
  Top Layer w8: C28.2@2240,4325.59 2240.47,4326.06 U3.10@2240.47,4409.42
NetCR1_1: CR1.1 D1.2 U1.6 | length 630.6
  Top Layer w8: U1.6@2653.24,2912.21 2742.79,2912.21 2790,2865 D1.2@2861.54,2865 ; CR1.1@3214.53,2750 CR1.1@3216.02,2748.5
  Top Layer w20: D1.2@2861.54,2865 2901.54,2825 2980,2825 3055,2750 CR1.1@3214.53,2750
NetD2_2: D2.2 IC2.2 L3.1 | length 616
  Top Layer w40: L3.1@2985,4376.85 3158.11,4203.74 3368.07,4203.74 IC2.2@3368.07,4365
NetF1_1: F1.1 S1.1
NetIC1_1: IC1.1 U1.77 | length 1038.9
  Top Layer w8: U1.77@2138.46,2753.75 v1(2138.46,2803.46)
  Bottom Layer w8: v1(2138.46,2803.46) 2138.46,3093.46 2350,3305 v1(2350,3705)
NetJP1_3: JP1.3 U1.93 | length 1066.9
  Top Layer w8: U1.93@2453.43,2753.75 2453.43,2739.75 2453.43,2711.75 2453.43,2689.35 ccw(c2459.03,2689.35) 2459.03,2683.75 2471.2,2683.75 cw(c2471.2,2678.15) 2476.8,2678.15 2476.8,2661.35 cw(c2471.2,2661.35) 2471.2,2655.75 2459.03,2655.75 ccw(c2459.03,2650.15) 2453.43,2650.15 2453.43,2627.75 2453.43,2616.57 2463.32,2606.68 2480.9,2589.1 cw(c2478.67,2586.88) 2480.9,2584.65 ccw(c2484.86,2580.69) 2480.9,2576.73 2492.78,2564.85 ccw(c2496.74,2568.81) 2500.7,2564.85 2502.92,2567.08 2505.15,2569.3 cw(c2509.11,2565.35) 2513.07,2569.3 2524.95,2557.43 cw(c2520.99,2553.47) 2524.95,2549.51 ccw(c2527.18,2547.28) 2524.95,2545.05 2535,2535 2549,2535 2573.6,2535 ccw(c2573.6,2538.4) 2577,2538.4 cw(c2582.6,2538.4) 2582.6,2544 2599.4,2544 cw(c2599.4,2538.4) 2605,2538.4 2605,2535 2605,2531.6 ccw(c2610.6,2531.6) 2610.6,2526 2627.4,2526 ccw(c2627.4,2531.6) 2633,2531.6 2633,2535 2633,2538.4 cw(c2638.6,2538.4) 2638.6,2544 2655.4,2544 cw(c2655.4,2538.4) 2661,2538.4 2661,2535 2661,2531.6 ccw(c2666.6,2531.6) 2666.6,2526 2683.4,2526 ccw(c2683.4,2531.6) 2689,2531.6 2689,2535 2689,2538.4 cw(c2694.6,2538.4) 2694.6,2544 2711.4,2544 cw(c2711.4,2538.4) 2717,2538.4 2717,2535 2717,2531.6 ccw(c2722.6,2531.6) 2722.6,2526 2739.4,2526 ccw(c2739.4,2531.6) 2745,2531.6 cw(c2748.4,2531.6) 2748.4,2535 2773,2535 v1(2775,2535)
  Bottom Layer w8: v1(2775,2535) 2775,2520 2775,2507.6 ccw(c2780.6,2507.6) 2780.6,2502 2792.4,2502 cw(c2792.4,2496.4) 2798,2496.4 2798,2479.6 cw(c2792.4,2479.6) 2792.4,2474 2775,2474 2757.6,2474 ccw(c2757.6,2468.4) 2752,2468.4 2752,2451.6 ccw(c2757.6,2451.6) 2757.6,2446 2775,2446 2792.87,2446 cw(c2792.87,2440.4) 2798.47,2440.4 2798.47,2423.6 cw(c2792.87,2423.6) 2792.87,2418 2775,2418 2766.89,2418 ccw(c2766.89,2412.4) 2761.29,2412.4 2761.29,2395.6 ccw(c2766.89,2395.6) 2766.89,2390 2775,2390 2775.91,2390 cw(c2775.91,2384.4) 2781.51,2384.4 2781.51,2367.6 cw(c2775.91,2367.6) 2775.91,2362 ccw(c2775.91,2361.09) 2775,2361.09 2775,2334 2775,2320 JP1.3@2825,2270
NetJP1_4: JP1.4 R1.1 U1.1 | length 607.9
  Top Layer w8: U1.1@2651.26,2813.79 2716.21,2813.79 2805,2725 v1(2855,2725)
  Bottom Layer w8: JP1.4@2825,2370 R1.1@2825,2459.41 2855,2489.4 v1(2855,2725)
NetJP1_5: JP1.5 U1.29 | length 1808.1
  Top Layer w8: v1(2532.17,3297.83) U1.29@2532.17,3346.27 ; v1(2725,2660) v1(2880,2660)
  Bottom Layer w8: v1(2532.17,3297.83) 2532.17,3283.83 2532.17,3261.43 cw(c2526.57,3261.43) 2526.57,3255.83 2516.41,3255.83 ccw(c2516.41,3250.23) 2510.81,3250.23 2510.81,3233.43 ccw(c2516.41,3233.43) 2516.41,3227.83 2532.17,3227.83 2554.55,3227.83 cw(c2554.55,3222.23) 2560.15,3222.23 2560.15,3205.43 cw(c2554.55,3205.43) 2554.55,3199.83 2532.17,3199.83 2516.41,3199.83 ccw(c2516.41,3194.23) 2510.81,3194.23 2510.81,3177.43 ccw(c2516.41,3177.43) 2516.41,3171.83 2532.17,3171.83 2554.55,3171.83 cw(c2554.55,3166.23) 2560.15,3166.23 2560.15,3149.43 cw(c2554.55,3149.43) 2554.55,3143.83 2532.17,3143.83 2516.41,3143.83 ccw(c2516.41,3138.23) 2510.81,3138.23 2510.81,3121.43 ccw(c2516.41,3121.43) 2516.41,3115.83 2532.17,3115.83 2554.55,3115.83 cw(c2554.55,3110.23) 2560.15,3110.23 2560.15,3093.43 cw(c2554.55,3093.43) 2554.55,3087.83 2532.17,3087.83 2516.41,3087.83 ccw(c2516.41,3082.23) 2510.81,3082.23 2510.81,3065.43 ccw(c2516.41,3065.43) 2516.41,3059.83 2532.17,3059.83 2554.55,3059.83 cw(c2554.55,3054.23) 2560.15,3054.23 2560.15,3037.43 cw(c2554.55,3037.43) 2554.55,3031.83 2532.17,3031.83 2516.41,3031.83 ccw(c2516.41,3026.23) 2510.81,3026.23 2510.81,3009.43 ccw(c2516.41,3009.43) 2516.41,3003.83 2532.17,3003.83 2554.55,3003.83 cw(c2554.55,2998.23) 2560.15,2998.23 2560.15,2981.43 cw(c2554.55,2981.43) 2554.55,2975.83 2532.17,2975.83 2516.41,2975.83 ccw(c2516.41,2970.23) 2510.81,2970.23 2510.81,2953.43 ccw(c2516.41,2953.43) 2516.41,2947.83 2526.57,2947.83 cw(c2526.57,2942.23) 2532.17,2942.23 2532.17,2930 2532.17,2852.83 v1(2725,2660) ; v1(2880,2660) 2880,2315 JP1.5@2925,2270
NetJP1_6: JP1.6 R2.1 U1.2 | length 706.3
  Top Layer w8: U1.2@2651.26,2833.47 2726.53,2833.47 2810,2750 2885,2750 v1(2975,2660)
  Bottom Layer w8: JP1.6@2925,2370 R2.1@2925,2459.41 2975,2509.4 v1(2975,2660)
NetJP1_8: JP1.8 U1.63 | length 1820
  Top Layer w8: U1.63@2058.74,3050.01 2170,3050 2224.4,3050 ccw(c2224.4,3055.6) 2230,3055.6 2230,3064.22 cw(c2235.6,3064.22) 2235.6,3069.82 2252.4,3069.82 cw(c2252.4,3064.22) 2258,3064.22 2258,3055.6 ccw(c2263.6,3055.6) 2263.6,3050 2286,3050 v2(2300,3050) ; v1(2300,2650) 2300,2630 2495,2435 3005,2435 3025,2415 JP1.8@3025,2370
  Bottom Layer w8: v1(2300,2650) 2300,2718.22 2300,2742.82 cw(c2303.4,2742.82) 2303.4,2746.22 ccw(c2303.4,2751.82) 2309,2751.82 2309,2768.62 ccw(c2303.4,2768.62) 2303.4,2774.22 2300,2774.22 2275.6,2774.22 cw(c2275.6,2779.82) 2270,2779.82 2270,2796.62 cw(c2275.6,2796.62) 2275.6,2802.22 2300,2802.22 2303.4,2802.22 ccw(c2303.4,2807.82) 2309,2807.82 2309,2824.62 ccw(c2303.4,2824.62) 2303.4,2830.22 2300,2830.22 2275.6,2830.22 cw(c2275.6,2835.82) 2270,2835.82 2270,2852.62 cw(c2275.6,2852.62) 2275.6,2858.22 2300,2858.22 2303.4,2858.22 ccw(c2303.4,2863.82) 2309,2863.82 2309,2880.62 ccw(c2303.4,2880.62) 2303.4,2886.22 2300,2886.22 2275.6,2886.22 cw(c2275.6,2891.82) 2270,2891.82 2270,2908.62 cw(c2275.6,2908.62) 2275.6,2914.22 2300,2914.22 2303.4,2914.22 ccw(c2303.4,2919.82) 2309,2919.82 2309,2936.62 ccw(c2303.4,2936.62) 2303.4,2942.22 2300,2942.22 2275.6,2942.22 cw(c2275.6,2947.82) 2270,2947.82 2270,2964.62 cw(c2275.6,2964.62) 2275.6,2970.22 2294.4,2970.22 ccw(c2294.4,2975.82) 2300,2975.82 v2(2300,3050)
NetJP1_9: JP1.9 U1.64 | length 1794.2
  Top Layer w8: U1.64@2058.74,3030.32 2059.06,3030 2073.06,3030 2095.46,3030 cw(c2095.46,3024.4) 2101.06,3024.4 2101.06,3021.27 ccw(c2106.66,3021.27) 2106.66,3015.67 2123.46,3015.67 ccw(c2123.46,3021.27) 2129.06,3021.27 2129.06,3030 cw(c2134.66,3030) 2134.66,3035.6 2151.46,3035.6 cw(c2151.46,3030) 2157.06,3030 2157.06,2994.63 ccw(c2162.66,2994.63) 2162.66,2989.03 2179.46,2989.03 ccw(c2179.46,2994.63) 2185.06,2994.63 2185.06,3024.4 cw(c2190.66,3024.4) 2190.66,3030 2220,3030 v1(2325,3030) ; v1(2325,2680) 2325,2640 2505,2460 v1(3075,2460)
  Bottom Layer w8: v1(2325,2680) v1(2325,3030) ; v1(3075,2460) 3075,2320 JP1.9@3125,2270
NetJP1_10: JP1.10 U1.97 | length 1260.4
  Top Layer w8: U1.97@2532.17,2753.75 2532.17,2739.75 2532.17,2711.75 2532.17,2683.75 2532.17,2655.75 2532.17,2627.75 2532.17,2607.83 2555,2585 2569,2585 2597,2585 2621.6,2585 ccw(c2621.6,2588.4) 2625,2588.4 cw(c2630.6,2588.4) 2630.6,2594 2647.4,2594 cw(c2647.4,2588.4) 2653,2588.4 ccw(c2656.4,2588.4) 2656.4,2585 2677.6,2585 ccw(c2677.6,2588.4) 2681,2588.4 cw(c2686.6,2588.4) 2686.6,2594 2703.4,2594 cw(c2703.4,2588.4) 2709,2588.4 ccw(c2712.4,2588.4) 2712.4,2585 2733.6,2585 ccw(c2733.6,2588.4) 2737,2588.4 cw(c2742.6,2588.4) 2742.6,2594 2759.4,2594 cw(c2759.4,2588.4) 2765,2588.4 ccw(c2768.4,2588.4) 2768.4,2585 2789.6,2585 ccw(c2789.6,2588.4) 2793,2588.4 cw(c2798.6,2588.4) 2798.6,2594 2815.4,2594 cw(c2815.4,2588.4) 2821,2588.4 ccw(c2824.4,2588.4) 2824.4,2585 2845.6,2585 ccw(c2845.6,2588.4) 2849,2588.4 cw(c2854.6,2588.4) 2854.6,2594 2871.4,2594 cw(c2871.4,2588.4) 2877,2588.4 ccw(c2880.4,2588.4) 2880.4,2585 2901.6,2585 ccw(c2901.6,2588.4) 2905,2588.4 cw(c2910.6,2588.4) 2910.6,2594 2927.4,2594 cw(c2927.4,2588.4) 2933,2588.4 ccw(c2936.4,2588.4) 2936.4,2585 2957.6,2585 ccw(c2957.6,2588.4) 2961,2588.4 cw(c2966.6,2588.4) 2966.6,2594 2983.4,2594 cw(c2983.4,2588.4) 2989,2588.4 ccw(c2992.4,2588.4) 2992.4,2585 3013.6,2585 ccw(c3013.6,2588.4) 3017,2588.4 cw(c3022.6,2588.4) 3022.6,2594 3039.4,2594 cw(c3039.4,2588.4) 3045,2588.4 ccw(c3048.4,2588.4) 3048.4,2585 3069.6,2585 ccw(c3069.6,2588.4) 3073,2588.4 cw(c3078.6,2588.4) 3078.6,2594 3095.4,2594 cw(c3095.4,2588.4) 3101,2588.4 ccw(c3104.4,2588.4) 3104.4,2585 v1(3125,2585)
  Bottom Layer w8: JP1.10@3125,2370 3125,2375 3125,2403 3125,2425.4 cw(c3130.6,2425.4) 3130.6,2431 3148.4,2431 ccw(c3148.4,2436.6) 3154,2436.6 3154,2453.4 ccw(c3148.4,2453.4) 3148.4,2459 3125,2459 3104.24,2459 cw(c3104.24,2464.6) 3098.64,2464.6 3098.64,2481.4 cw(c3104.24,2481.4) 3104.24,2487 3125,2487 3148.4,2487 ccw(c3148.4,2492.6) 3154,2492.6 3154,2509.4 ccw(c3148.4,2509.4) 3148.4,2515 3125,2515 3100.6,2515 cw(c3100.6,2520.6) 3095,2520.6 3095,2537.4 cw(c3100.6,2537.4) 3100.6,2543 3119.4,2543 ccw(c3119.4,2548.6) 3125,2548.6 3125,2571 v1(3125,2585)